# Altium PCB GameBoard_V1I1_Phase1.PcbDoc (part 13 of 18) (continued)
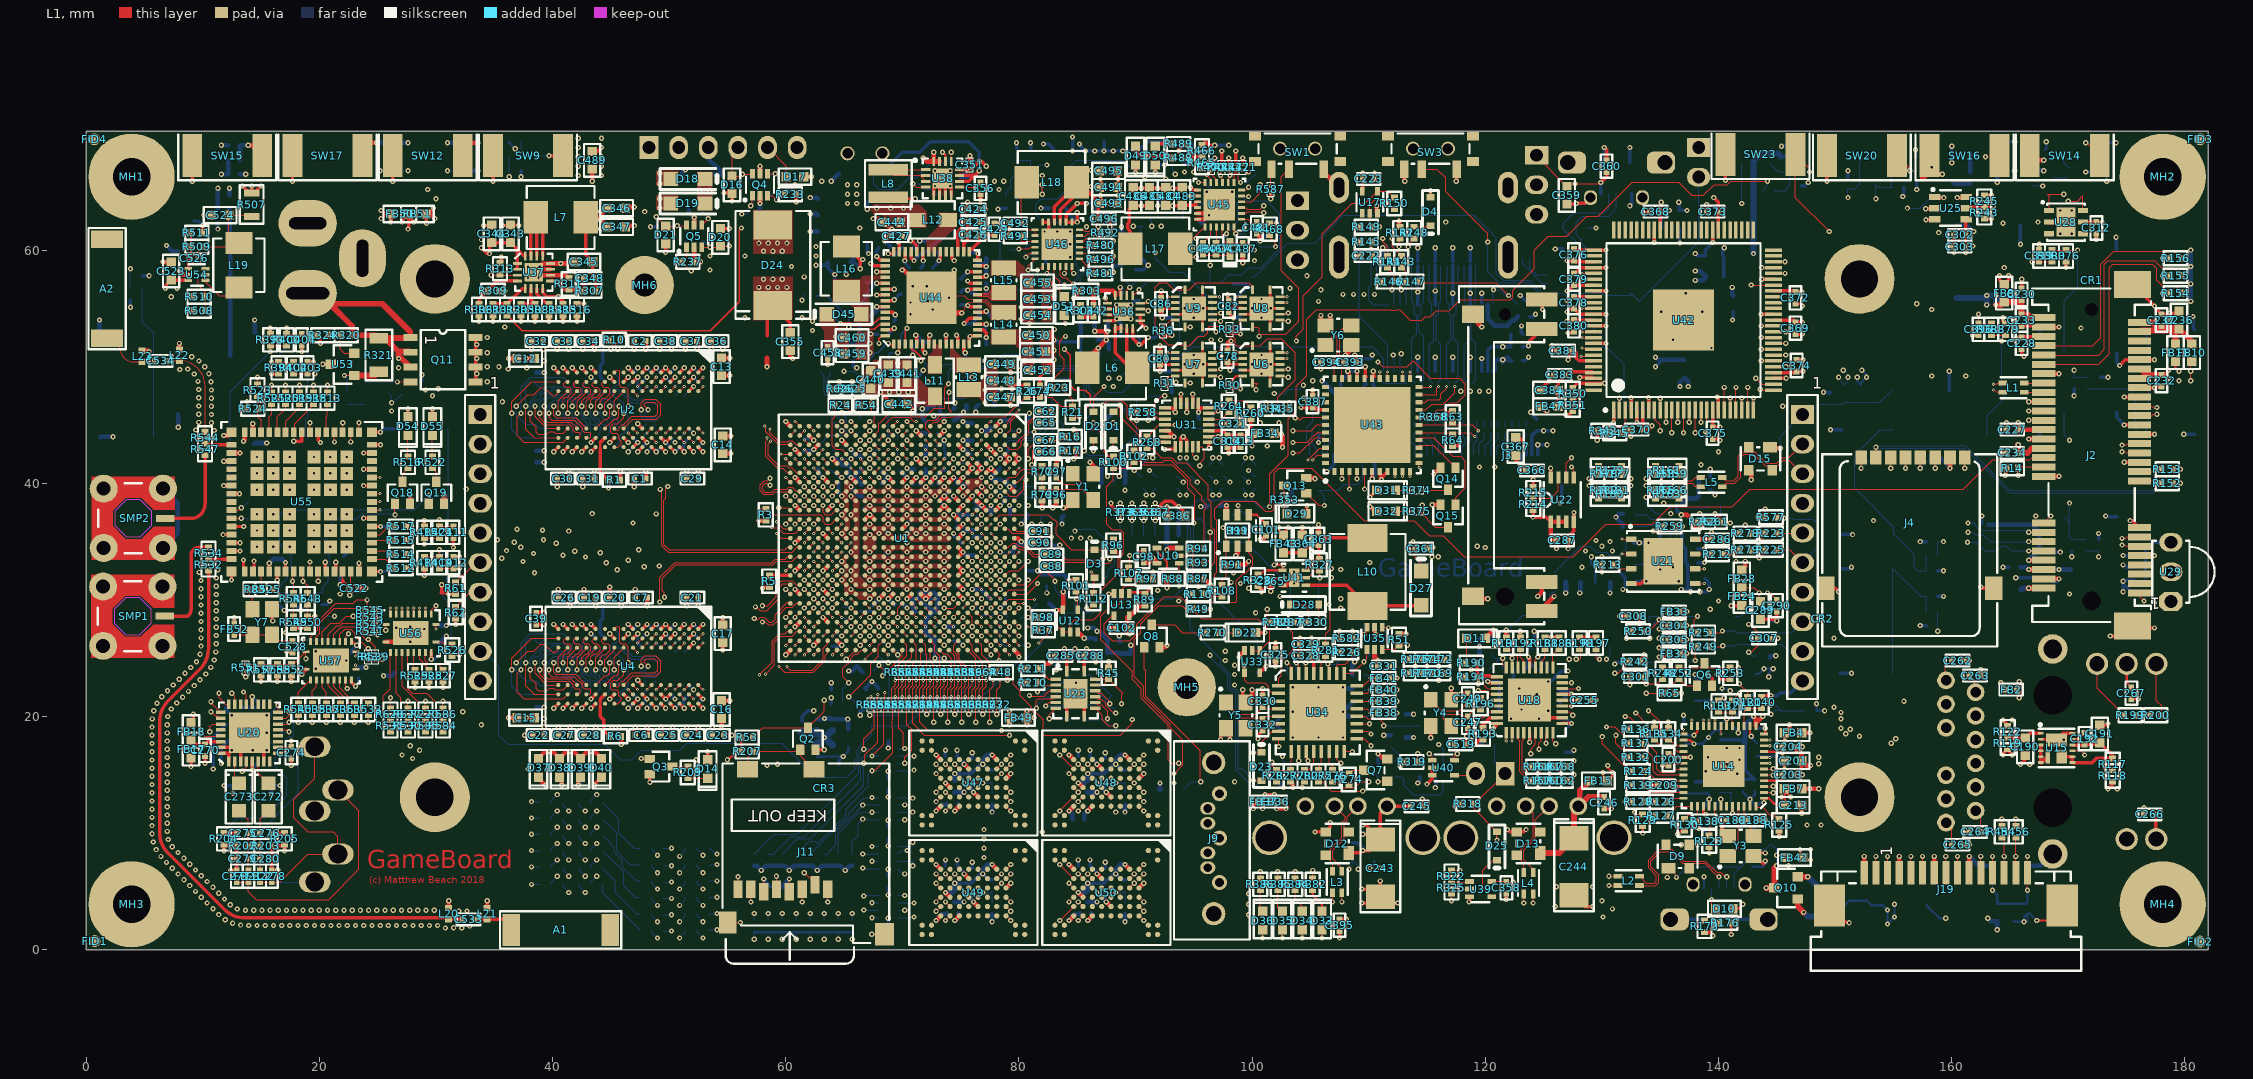
[diagram p0: L1 view]
## Nets (pads, with @x,y where several pads share a name; then routed paths per layer and width w, separated by ;. In a path a pad name is that pad's centre, name@x,y a point inside that pad or via, vN(x,y) a via of type N, cw(c..) or ccw(c..) an arc to the next point about the centre after c; other vN are vias at no path point) (continued)
  L12 w0.093: v1(61.4,54.2) 61.6,54.4 R442.1@61.6,54.8 ; v1(135.9,37.4) U30.6@135.9,38.175 ; v1(142.3,36.4) 142.8,35.9 R59.1@142.8,35.7 R222.1@144,35.7
I2C1_SDA_CON: J12.5 R222.2 R223.2 R576.2 | length 5.8
  L1 w0.093: R223.2@145,35.7 147.16,35.7 J12.5@147.2,35.74
  L12 w0.093: R576.2@145,37.1 R222.2@145,35.7 147.16,35.7 J12.5@147.2,35.74
I2C1_SDA_MCU: R223.1 R278.1 U34.11 | length 86.4
  L1 w0.093: R278.1@142.8,35.7 R223.1@144,35.7 144,35.5 v1(143.5,35)
  L1 w0.1: U34.11@104.65,17 104.65,16.35 v1(104.8,16.2)
  L3 w0.1: v1(104.8,16.2) 105.375,15.625 107.755,15.625 107.83,15.7 112.17,15.7 112.77,15.1 115.6,15.1 120,10.7 128.443,10.7 131.243,13.5 132.7,13.5 133.975,12.225 143.975,12.225 145.5,10.7 v1(147.6,10.7)
  L10 w0.1: v1(143.5,35) 142.83,35 142.455,34.625 142.425,34.625 140.6,32.8 140.6,30.9 139.73,30.9 139.355,31.275 139.045,31.275 138.825,31.055 138.825,29.538 138.725,29.438 138.725,28.962 139.687,28 141.117,28 143.1,26.017 143.1,23.117 144.125,22.092 144.125,21.645 144.345,21.425 144.655,21.425 144.724,21.493 145.5,20.717 145.5,19.68 145.275,19.455 145.275,19.145 145.5,18.92 145.5,18.513 145.125,18.138 145.125,17.398 143.5,15.773 143.5,13.2 143.725,12.975 144.055,12.975 144.275,12.755 144.275,12.425 146,10.7 v1(147.6,10.7)
I2C1_SDA_PMIC: R442.2 TP41.1 U44.53 | length 6.8
  L1 w0.114: v2(64.7,53.7) 64.782,53.782 65.558,53.782 65.84,53.5 67.356,53.5 68.006,54.15 U44.53@68.55,54.15
  L12 w0.114: R442.2@62.6,54.8 62.7,54.7 TP41.1@63.7,54.7 v2(64.7,53.7)
I2C2_CSI_SCL: J19.13 R452.1 R454.2 R459.2 | length 5.1
  L1 w0.1: R454.2@164.3,9.6 164.5,9.4 v1(164.5,8) J19.13@164.5,6.6
  L12 w0.1: R452.1@164.5,6 v1(164.5,8)
I2C2_CSI_SDA: J19.14 R451.1 R456.2 R458.2 | length 5
  L1 w0.1: J19.14@165.5,6.6 v1(165.5,8) R456.2@165.5,9.6
  L12 w0.1: R451.1@165.5,6 v1(165.5,8)
I2C2_SCL: J2.30 J14.7 R62.1 R454.1 U1.U5 U16.17 U20.29 U25.1 U28.6 U45.5 U46.5 | length 541
  L1 w0.093: v3(66.4,42.1) U1.U5@66.8,41.7
  L1 w0.1: v1(9.8,18.7) 10.175,18.325 11.54,18.325 U20.29@11.54,18.35 ; R62.1@31.7,29.4 32.96,30.66 J14.7@33.8,30.66 ; v1(83.9,58) 84.05,58.15 U46.5@84.05,58.6 ; U45.5@99.1,64.65 99.15,64.6 v1(99.7,64.6) ; R454.1@164.3,10.6 v1(164.3,11.2) ; v1(166.6,45.4) J2.30@167.9,45.4 ; v1(170,64.2) 170.8,64.2 171.25,64.65 U28.6@171.25,63.4
  L1 w0.3: U25.1@158.55,64.55 158.6,64.5 v2(159.325,64.5)
  L3 w0.1: J14.7@33.8,30.66 34.95,29.51 34.95,25.186 34.9,25.137 34.9,23.483 34.95,23.434 34.95,22.646 34.394,22.09 34.051,22.09 32.83,20.87 32.83,20.4 32.455,20.025 32.145,20.025 31.67,20.5 26.6,20.5 23.5,23.6 22.8,23.6 21.875,24.525 21.875,24.966 21.9,24.991 21.9,25.7 19,28.6 17.417,28.6 15.7,26.883 15.7,22.4 13,19.7 10.5,19.7 10.175,19.375 10.175,19.345 9.955,19.125 9.925,19.125 9.8,19 v1(9.8,18.7) 9.8,18 10.1,17.7 15.583,17.7 17.025,19.142 17.025,19.655 17.395,20.025 17.625,20.025 18.5,20.9 23.5,20.9 26.4,18 26.4,10.8 28.3,8.9 30.473,8.9 33.26,11.687 33.26,11.877 35.858,14.475 45.942,14.475 46.642,13.775 49.875,13.775 49.9,13.8 61.9,13.8 63.6,12.1 63.6,6.579 65.136,5.043 68.604,5.043 69.371,5.811 70.576,5.811 71.6,6.834 71.6,7.9 73.704,10.004 76.121,10.004 76.792,10.675 77.155,10.675 78.884,8.946 82.478,8.946 82.532,9 90.317,9 94.917,4.4 98.3,4.4 98.8,4.9 98.8,5.617 100.258,7.075 100.855,7.075 100.93,7 101.97,7 102.045,7.075 102.355,7.075 102.43,7 103.283,7 105.483,9.2 110.6,9.2 112.2,7.6 123.4,7.6 123.6,7.4 141.4,7.4 143.5,9.5 144.87,9.5 145.045,9.325 145.355,9.325 145.53,9.5 162.2,9.5 163.9,11.2 v1(164.3,11.2) ; v1(62.3,53.9) 61.9,53.9 61.625,53.625 61.625,52.775 64.1,50.3 64.9,50.3 65.4,49.8 65.4,49.47 65,49.07 65,48.483 65.6,47.883 65.6,47.8 65.851,47.8 66.2,47.451 66.2,45 65.975,44.775 65.975,44.345 65.755,44.125 65.742,44.125 65.375,43.758 65.375,43.462 65.272,43.359 65.272,42.475 65.755,42.475 65.975,42.255 65.975,41.925 v4(66.1,41.8) ; v1(99.7,64.6) 100.625,63.675 ; 100.77,63.5 100.625,63.645 100.625,63.675 ; v1(112.8,51.1) 113.247,51.547 113.247,51.8 113.447,52 120.2,52 120.9,51.3 123.387,51.3 123.462,51.375 125.805,51.375 125.905,51.475 126.138,51.475 126.238,51.375 127.383,51.375 127.515,51.243 127.515,51.182 127.697,51 127.903,51 129.3,52.397 129.3,57.903 128.918,58.285 125.715,58.285 120.7,63.3 113.18,63.3 112.755,62.875 112.305,62.875 111.055,61.625 110.475,61.625 109.4,62.7 102.77,62.7 101.97,63.5 101.23,63.5 101.375,63.645 101.375,63.955 101.155,64.175 100.845,64.175 100.625,63.955 100.625,63.675
  L10 w0.1: v1(62.3,53.9) 62.3,54.3 62.6,54.6 62.6,56.066 61.225,57.441 61.225,57.855 61.445,58.075 63.845,58.075 64.545,58.775 64.775,58.775 66.275,60.275 67.788,60.275 68.375,59.688 68.375,59.595 69.625,58.345 69.625,58.145 69.845,57.925 70.155,57.925 70.375,58.145 71.658,58.145 72.213,58.7 72.737,58.7 72.912,58.525 73.388,58.525 73.563,58.7 74.037,58.7 74.075,58.662 74.075,58.145 74.295,57.925 74.605,57.925 74.825,58.145 74.825,58.662 74.863,58.7 76.77,58.7 77.045,58.975 77.355,58.975 77.63,58.7 83.2,58.7 v1(83.9,58) 84.3,57.6 85.53,57.6 85.555,57.625 86.91,57.625 87.185,57.9 87.77,57.9 87.945,57.725 88.255,57.725 88.43,57.9 91.33,57.9 92.63,56.6 93.287,56.6 93.362,56.525 93.838,56.525 93.913,56.6 98.5,56.6 99.7,55.4 103.3,55.4 103.875,54.825 106.021,54.825 106.096,54.9 108.955,54.9 109.455,54.4 109.703,54.4 110.103,54 114.57,54 114.845,54.275 115.825,54.275 118.325,51.775 118.325,51.645 118.545,51.425 118.992,51.425 119.117,51.55 119.283,51.55 119.4,51.433 119.4,51.267 119.3,51.167 119.3,49.2 119.125,49.025 118.437,49.025 118.362,49.1 117.43,49.1 117.355,49.025 115.545,49.025 115.375,48.855 115.375,48.745 115.155,48.525 113.897,48.525 113.354,49.069 113.354,49.716 112.82,50.25 112.8,50.25 v1(112.8,51.1) ; v1(99.7,64.6) 100.7,64.6 103.3,67.2 110.817,67.2 115.017,63 122.514,63 123.724,64.21 124.99,64.21 126.483,62.717 133.17,62.717 133.262,62.625 133.738,62.625 133.83,62.717 138.2,62.717 138.2,63.7 139.5,65 142.67,65 142.945,64.725 143.255,64.725 143.909,65.378 143.962,65.325 144.438,65.325 144.913,65.8 147.208,65.8 147.325,65.917 147.325,65.955 147.545,66.175 147.855,66.175 148.075,65.955 148.075,65.917 148.192,65.8 148.87,65.8 149.145,65.525 149.455,65.525 149.73,65.8 158.025,65.8 v2(159.325,64.5) 159.4,64.5 160.7,63.2 164.5,63.2 165.5,64.2 v1(170,64.2) 170.03,64.2 171.6,62.63 171.6,58.7 166.4,53.5 166.4,52.3 165.1,51 165.1,46.9 v1(166.6,45.4) 167.1,44.9 167.1,43.5 164.931,41.331 164.904,41.331 164.769,41.196 164.769,41.169 164.675,41.075 164.445,41.075 163.7,40.33 163.7,11.8 v1(164.3,11.2)
  L2 w0.1: v4(66.1,41.8) v3(66.4,42.1)
  L12 w0.1: U16.17@112.7,49.6 112.7,51 v1(112.8,51.1)
I2C2_SDA: J2.32 J14.6 R61.1 R456.1 U1.T7 U16.18 U20.27 U25.6 U28.1 U45.6 U46.6 | length 548.8
  L1 w0.093: v3(67.2,40.5) U1.T7@67.6,40.1
  L1 w0.1: v1(10.6,18.7) 10.6,19.1 10.85,19.35 U20.27@11.54,19.35 ; R61.1@31.7,31.5 33.4,33.2 J14.6@33.8,33.2 ; U46.6@84.55,58.6 84.55,58.15 v1(84.7,58) ; U45.6@99.1,65.15 99.45,65.15 v1(99.7,65.4) ; R456.1@165.5,10.6 v1(165.5,11.2) ; v1(166.6,46.2) J2.32@167.9,46.2 ; U28.1@168.35,63.4 168.35,64.65 168.2,64.8 v1(169.6,64.8)
  L1 w0.3: v2(160.475,64.5) 161.2,64.5 U25.6@161.25,64.55
  L3 w0.1: J14.6@33.8,33.2 35.15,31.85 35.15,25.104 35.1,25.054 35.1,23.566 35.15,23.516 35.15,22.437 32.513,19.8 31.7,19.8 31.3,20.2 26.3,20.2 23.1,23.4 22.3,23.4 21.4,24.3 21.4,25.741 19.141,28 17.1,28 15.9,26.8 15.9,22.3 12.9,19.3 10.8,19.3 10.6,19.1 v1(10.6,18.7) 10.6,18.3 10.9,18 15.6,18 16.8,19.2 16.8,20.6 17.3,21.1 23.583,21.1 26.6,18.083 26.6,11.4 28.6,9.4 30.69,9.4 33.06,11.77 33.06,11.96 35.8,14.7 46,14.7 46.725,13.975 49.175,13.975 49.4,14.2 61.87,14.2 64.1,11.97 64.1,10.832 64.004,10.736 64.004,6.458 65.219,5.243 65.381,5.243 65.496,5.358 65.496,5.521 65.59,5.614 68.892,5.614 69.288,6.011 70.493,6.011 71.375,6.892 71.375,8.097 73.481,10.204 76.038,10.204 76.709,10.875 77.238,10.875 78.967,9.146 82.395,9.146 82.449,9.2 90.4,9.2 95,4.6 98.2,4.6 98.6,5 98.6,5.7 100.175,7.275 100.938,7.275 101.013,7.2 101.887,7.2 101.962,7.275 102.438,7.275 102.513,7.2 103.2,7.2 105.4,9.4 111.4,9.4 112.85,7.95 119.35,7.95 119.5,7.8 123.483,7.8 123.683,7.6 136.9,7.6 137.925,8.625 138.355,8.625 138.575,8.845 138.575,9.275 139.375,10.075 145.355,10.075 145.73,9.7 162.117,9.7 163.992,11.575 165.125,11.575 v1(165.5,11.2) ; v1(62.3,53.1) 62.2,53.2 62.1,53.1 62.1,52.7 64,50.8 65,50.8 65.725,50.075 65.725,49.255 65.325,48.855 65.325,48.545 65.77,48.1 65.9,48.1 65.9,48.034 66.4,47.534 66.4,44.9 66.2,44.7 66.2,44.3 66.175,44.275 66.175,44.262 65.838,43.925 65.825,43.925 66,43.75 66,42.513 66.4,42.113 66.4,41.3 v4(67.5,40.2) ; v1(99.7,65.4) 99.8,65.4 100.825,64.375 101.225,64.375 101.225,64.555 101.445,64.775 101.755,64.775 101.975,64.555 101.975,64.245 101.755,64.025 101.575,64.025 101.575,63.7 102.053,63.7 102.753,63 109.383,63 109.808,63.425 110.855,63.425 110.93,63.5 120.783,63.5 122.383,61.9 122.783,61.9 125.983,58.7 128.3,58.7 128.515,58.485 129.001,58.485 129.5,57.986 129.5,54.3 129.9,53.9 129.9,52.4 128.2,50.7 127.714,50.7 127.315,51.099 127.315,51.16 127.3,51.175 126.155,51.175 126.055,51.275 125.988,51.275 125.888,51.175 123.545,51.175 123.47,51.1 120.817,51.1 120.117,51.8 113.53,51.8 113.447,51.717 113.447,51.047 113.125,50.725 112.375,50.725 v1(112.1,51)
  L10 w0.1: v1(62.3,53.1) 61.925,53.475 61.925,54.055 62.1,54.23 62.1,56.283 61,57.383 61,57.913 61.362,58.275 63.275,58.275 63.975,58.975 64.692,58.975 66.192,60.475 67.953,60.475 68.346,60.082 68.949,60.082 69.175,59.855 69.175,59.595 70.045,58.725 70.355,58.725 70.53,58.9 70.67,58.9 70.845,58.725 71.155,58.725 71.33,58.9 71.47,58.9 71.645,58.725 71.955,58.725 72.13,58.9 72.82,58.9 72.995,58.725 73.305,58.725 73.48,58.9 74.12,58.9 74.295,58.725 74.605,58.725 74.78,58.9 76.687,58.9 76.962,59.175 77.438,59.175 77.713,58.9 83.283,58.9 83.783,58.4 84.3,58.4 v1(84.7,58) 84.9,57.8 85.447,57.8 85.625,57.978 85.625,58.155 85.845,58.375 86.155,58.375 86.43,58.1 87.57,58.1 87.945,58.475 88.255,58.475 88.63,58.1 91.413,58.1 91.813,57.7 92.3,57.7 93.2,56.8 93.37,56.8 93.445,56.725 93.755,56.725 93.83,56.8 94.13,56.8 94.413,57.083 100.117,57.083 101.4,55.8 103.2,55.8 103.975,55.025 105.938,55.025 106.013,55.1 109.038,55.1 109.113,55.025 109.361,55.025 110.186,54.2 114.487,54.2 114.762,54.475 116.894,54.475 119.7,51.669 119.7,49.3 119.2,48.8 118.379,48.8 118.304,48.875 117.488,48.875 117.438,48.825 115.675,48.825 115.575,48.725 115.575,48.662 115.238,48.325 113.814,48.325 113.154,48.986 113.154,49.633 112.737,50.05 112.717,50.05 112.025,50.742 ; v1(99.7,65.4) 99.875,65.225 101.042,65.225 103.217,67.4 110.9,67.4 115.1,63.2 122.431,63.2 123.641,64.41 125.073,64.41 126.566,62.917 133.253,62.917 133.345,62.825 133.655,62.825 133.747,62.917 138,62.917 138,63.783 139.417,65.2 142.6,65.2 143.1,65.7 143.87,65.7 144.045,65.525 144.355,65.525 144.83,66 147.087,66 147.462,66.375 147.462,66.508 147.425,66.545 147.425,66.855 147.645,67.075 147.955,67.075 148.175,66.855 148.175,66.138 148.313,66 148.87,66 149.145,66.275 149.455,66.275 149.73,66 158.975,66 v2(160.475,64.5) 160.5,64.5 160.7,64.3 165.3,64.3 165.8,64.8 v1(169.6,64.8) 170.5,64.8 172,63.3 172,58.4 166.6,53 166.6,52.217 165.7,51.317 165.7,46.8 166.3,46.2 v1(166.6,46.2) 167.6,45.2 167.6,43.7 165,41.1 165,21.6 164.8,21.4 164.8,14.4 165,14.2 165,11.7 v1(165.5,11.2)
  L2 w0.1: v3(67.2,40.5) v4(67.5,40.2)
  L12 w0.1: v1(112.1,51) 112.1,50.7 112.2,50.6 U16.18@112.2,49.6
I2C3_SCL: R64.1 R577.1 U1.R4 U43.16 | length 173
  L1 w0.093: U1.R4@68.4,42.5 v3(68.8,42.9)
  L1 w0.1: U43.16@114.3,44.35 118.75,44.35 v3(119.1,44) ; R577.1@144,37.1 v1(144,37.8)
  L3 w0.1: v2(62.6,60.3) 62.6,60.03 63,59.63 63,59.383 63.5,58.883 63.5,58.579 63.225,58.304 63.225,57.496 63.5,57.221 63.5,56.383 66.093,53.789 66.025,53.721 66.025,52.275 66.2,52.1 66.2,51.6 66.982,50.818 68.182,50.818 68.5,50.5 68.5,48.9 69.3,48.1 69.3,47.5 68.7,46.9 68.7,46.283 68.6,46.183 68.6,44.5 69.175,43.925 69.175,43.275 v4(69.1,43.2) ; v4@69,43.2 v4@69.05,43.25 ; v4(119.4,43.7) 119.917,43.7 120.367,43.25 121.934,43.25 122.659,42.525 125.625,42.525 126.075,42.975 127.721,42.975 128.096,42.6 130.1,42.6 131.1,41.6 v1(138.5,41.6)
  L10 w0.1: v2(62.6,60.3) 62.9,60.6 64.4,60.6 65.225,61.425 80.975,61.425 83.1,59.3 83.449,59.3 83.724,59.025 85.075,59.025 85.475,58.625 85.529,58.625 85.704,58.8 87.704,58.8 87.779,58.875 88.405,58.875 88.63,59.1 93.959,59.1 95.234,57.825 98.791,57.825 98.941,57.976 99.317,57.6 103.483,57.6 103.783,57.3 108.4,57.3 109.6,58.5 112.017,58.5 112.217,58.3 118.566,58.3 119.666,57.2 121.3,57.2 121.9,56.6 124.2,56.6 125.8,58.2 129.2,58.2 129.9,57.5 135.717,57.5 137.017,58.8 142.8,58.8 145.1,61.1 145.7,61.1 146.825,59.975 146.825,49.092 146.917,49 144.932,47.015 144.932,46.365 145.1,46.197 145.1,44.3 144,43.2 v1(144,37.8) 144,36.6 143.8,36.4 142.83,36.4 142.455,36.775 142.455,37.245 138.625,41.075 138.625,41.475 v1(138.5,41.6)
  L2 w0.1: v3(68.8,42.9) v4(69.1,43.2) ; v3(119.1,44) v4(119.4,43.7)
I2C3_SDA: R63.1 R576.1 U1.R2 U43.17 | length 169.6
  L1 w0.093: v3(68,43.7) U1.R2@68.4,44.1
  L1 w0.1: U43.17@114.3,45 118.9,45 v3(119.4,44.5)
  L3 w0.1: v2(62.6,59.5) 63.3,58.8 63.3,58.662 63.025,58.387 63.025,57.413 63.3,57.138 63.3,56.3 65.825,53.775 65.825,51.424 66.374,50.875 66.504,50.875 67.075,50.304 67.075,49.825 68.5,48.4 68.5,46.5 68.3,46.3 v4(68.3,44) ; v4(119.7,44.2) 120.45,43.45 122.017,43.45 122.742,42.725 125.538,42.725 125.875,43.062 125.875,43.092 125.958,43.175 127.804,43.175 128.179,42.8 130.6,42.8 130.7,42.7 v1(140,42.7)
  L10 w0.1: v2(62.6,59.5) 63.7,59.5 65.425,61.225 80.875,61.225 83,59.1 83.366,59.1 83.766,58.7 85.117,58.7 85.442,58.375 85.562,58.375 85.787,58.6 87.787,58.6 87.862,58.675 88.338,58.675 88.413,58.6 90.313,58.6 90.613,58.3 91.496,58.3 91.896,57.9 94.876,57.9 95.151,57.625 98.874,57.625 98.941,57.693 99.234,57.4 103.4,57.4 103.7,57.1 108.483,57.1 108.883,57.5 111.434,57.5 112.034,58.1 116.8,58.1 118.325,56.575 118.325,56.145 118.545,55.925 118.975,55.925 119.4,55.5 124.7,55.5 126.5,57.3 130.3,57.3 130.9,56.7 135.2,56.7 137.1,58.6 142.883,58.6 144.883,60.6 145.7,60.6 146.6,59.7 146.6,48.966 144.732,47.098 144.732,46.282 144.8,46.214 144.8,44.7 143.4,43.3 v1(143.4,37.1) 143.1,37.1 140,40.2 v1(140,42.7)
  L2 w0.1: v3(68,43.7) v4(68.3,44) ; v3(119.4,44.5) v4(119.7,44.2)
  L12 w0.1: v1(143.4,37.1) R576.1@144,37.1
ILIM1: R470.2 U45.10 | length 1.2
  L1 w0.1: R470.2@96.5,66.835 96.5,66.5 96.95,66.05 U45.10@96.95,65.8
ILIM2: R492.2 U46.10 | length 2.2
  L1 w0.1: U46.10@85.2,60.75 85.55,60.75 85.8,61 86.635,61 R492.2@87.135,61.5
IR_RCV: U1.A20 U29.1 | length 116.8
  L1 w0.1: U1.A20@79.6,29.7 v3(80.4,29.7)
  L3 w0.1: v4(80.7,30) 81.225,29.475 81.225,29.445 82.07,28.6 85.251,28.6 85.351,28.7 87.568,28.7 87.668,28.6 89.834,28.6 89.934,28.7 91.589,28.7 91.889,29 93.613,29 94.338,29.725 94.621,29.725 94.666,29.77 95.147,29.77 95.478,30.1 97.129,30.1 97.463,29.767 97.476,29.753 98.047,29.753 98.547,29.253 99.347,29.253 100.175,28.425 106.776,28.425 106.951,28.6 108.085,28.6 108.785,29.3 116.793,29.3 117.393,28.7 119.603,28.7 119.803,28.9 125.517,28.9 125.717,28.7 130.1,28.7 130.9,29.5 138.1,29.5 139.2,28.4 143.6,28.4 144.935,27.065 144.945,27.075 145.255,27.075 145.63,26.7 v1(149.9,26.7) ; v1(153.3,36.8) 155.555,36.8 156.98,35.375 157.455,35.375 157.675,35.155 157.675,34.68 160.3,32.055 165.125,32.055 165.345,32.275 165.655,32.275 165.875,32.055 165.875,32.025 166.5,31.4 168.1,31.4 171.8,27.7 176.64,27.7 U29.1@178.8,29.86
  L10 w0.1: v1(149.9,26.7) 149.9,27.2 153.3,30.6 v1(153.3,36.8)
  L2 w0.1: v3(80.4,29.7) v4(80.7,30)
JTAG_MOD: R103.2 U1.H6 | length 2.2
  L1 w0.093: U1.H6@74,40.9 v2(74.4,41.3)
  L12 w0.093: v2(74.4,41.3) 74.8,41.7 75.565,41.7 R103.2@75.8,41.935
JTAG_nTRST: R104.1 TP4.1 U1.C2 | length 7.5
  L1 w0.093: U1.C2@78,44.1 v1(78.4,44.5)
  L12 w0.093: v1(78.4,44.5) 79,43.9 81.325,43.9 81.825,44.4 81.825,45.875 81.8,45.9 TP4.1@81.8,46.6 81.7,46.7 R104.1@81,46.7
JTAG_TCK: R111.2 TP7.1 | length 0.8
  L12 w0.1: R111.2@83.4,46.4 TP7.1@83.4,47.2
JTAG_TCK_R: R111.1 U1.H5 | length 13.2
  L1 w0.093: U1.H5@74,41.7 v2(74.4,42.1)
  L10 w0.093: v2(74.4,42.1) 74.772,41.729 78.729,41.729 78.829,41.829 78.829,42.329 79.207,42.707 82.98,42.707 v5@83.073,42.8
  L11 w0.1: v5(83.1,42.8) v6(83.4,43.1)
  L12 w0.1: v6(83.4,43.1) 83.8,43.5 83.8,45 R111.1@83.4,45.4
JTAG_TDI: R109.2 TP5.1 | length 1.2
  L12 w0.1: R109.2@83.2,49 TP5.1@84.4,49
JTAG_TDI_R: R105.1 R109.1 U1.G5 | length 15.6
  L1 w0.093: U1.G5@74.8,41.7 v2(75.2,42.1)
  L10 w0.093: v2(75.2,42.1) 75.6,42.5 78.727,42.5 79.127,42.9 81.9,42.9 v5(82.2,43.2)
  L11 w0.1: v5(82.2,43.2) v6(82.5,43.5)
  L12 w0.1: R105.1@81,49 R109.1@82.2,49 82.9,48.3 82.9,43.9 v6(82.5,43.5)
JTAG_TDO: R67.2 TP8.1 | length 0.8
  L12 w0.1: R67.2@84.6,46.4 TP8.1@84.6,47.2
JTAG_TDO_R: R67.1 U1.G6 | length 13.7
  L1 w0.093: U1.G6@74.8,40.9 v2(75.2,41.3)
  L10 w0.093: v2(75.2,41.3) 75.6,40.9 77.8,40.9 78.4,41.5 79.4,41.5 79.629,41.729 79.629,42.254 79.846,42.472 82.028,42.472 v5(82.3,42.2)
  L11 w0.1: v5(82.3,42.2) v6(82.6,42.5)
  L12 w0.1: v6(82.6,42.5) 83.6,42.5 84.7,43.6 84.7,45.3 R67.1@84.6,45.4
JTAG_TMS: R106.1 TP6.1 U1.C3 | length 9.6
  L1 w0.093: U1.C3@78,43.3 v1(78.4,42.9)
  L12 w0.093: v1(78.4,42.9) 79.171,43.672 81.472,43.672 82.4,44.6 82.4,47.3 TP6.1@81.8,47.9 R106.1@81,47.9
LCD_B0: LCD1.21 R331.2 | length 2.1
  L12 w0.093: R331.2@113.9,44.335 113.9,43.9 114.5,43.3 LCD1.21@114.5,42.45
LCD_B1: LCD1.22 R332.2 | length 2.2
  L12 w0.093: R332.2@113.3,44.335 113.3,43.9 114,43.2 LCD1.22@114,42.45
LCD_B2: LCD1.23 R333.2 | length 2.2
  L12 w0.093: R333.2@112.7,44.335 112.7,44 113.5,43.2 LCD1.23@113.5,42.45
LCD_B3: LCD1.24 R334.2 | length 2.3
  L12 w0.093: R334.2@112.1,44.335 112.1,44.1 113,43.2 LCD1.24@113,42.45
LCD_B4: LCD1.25 R335.2 | length 2.3
  L12 w0.093: R335.2@111.5,44.335 111.5,44.1 112.5,43.1 LCD1.25@112.5,42.45
LCD_B5: LCD1.26 R336.2 | length 2.3
  L12 w0.093: R336.2@110.9,44.335 110.9,44.1 112,43 LCD1.26@112,42.45
LCD_B6: LCD1.27 R337.2 | length 2.4
  L12 w0.093: R337.2@110.3,44.335 110.3,44.2 111.5,43 LCD1.27@111.5,42.45
LCD_B7: LCD1.28 R338.2 | length 2.4
  L12 w0.093: R338.2@109.7,44.335 111,43.035 LCD1.28@111,42.45
LCD_CTP_INT#: CTP1.5 R365.1 R371.2 | length 2.2
  L1 w0.1: v1(89.7,36.8) R365.1@89.7,37.235
  L12 w0.1: CTP1.5@89.7,35.55 R371.2@89.7,37.335
LCD_CTP_RST#: CTP1.6 R372.2 R373.2 | length 2.2
  L1 w0.1: v1(88.7,36.8) R373.2@88.7,37.235
  L12 w0.1: CTP1.6@88.7,35.55 88.7,36.97 R372.2@88.7,37.235 R372.2@88.7,37.335
LCD_CTP_SCL: CTP1.3 R367.1 R369.2 | length 2.2
  L1 w0.1: v1(91.7,36.8) R367.1@91.7,37.235
  L12 w0.1: CTP1.3@91.7,35.55 91.7,36.97 R369.2@91.7,37.335
LCD_CTP_SDA: CTP1.4 R366.1 R370.2 | length 2.2
  L1 w0.1: v1@90.7,36.765 R366.1@90.7,37.2
  L12 w0.1: CTP1.4@90.7,35.55 90.7,36.97 R370.2@90.7,37.335
  other v1: 90.7,36.8
LCD_DE: LCD1.34 R361.2 | length 2.1
  L12 w0.093: R361.2@107.3,44.07 107.3,43.5 107.5,43.3 107.9,43.3 108,43.2 LCD1.34@108,42.45
LCD_G0: LCD1.13 R339.2 | length 2
  L12 w0.093: LCD1.13@118.5,42.45 118.5,43.4 118.7,43.6 R339.2@118.7,44.335
LCD_G1: LCD1.14 R340.2 | length 2.1
  L12 w0.093: LCD1.14@118,42.45 118,43.075 118.3,43.375 118.3,43.8 118.1,44 R340.2@118.1,44.335
LCD_G2: LCD1.15 R341.2 | length 2.1
  L12 w0.093: LCD1.15@117.5,42.45 117.5,43.1 117.3,43.3 117.3,43.8 117.5,44 R341.2@117.5,44.335
LCD_G3: LCD1.16 R343.2 | length 1.9
  L12 w0.093: R343.2@116.9,44.335 116.9,43.8 117,43.7 LCD1.16@117,42.45
LCD_G4: LCD1.17 R344.2 | length 2
  L12 w0.093: R344.2@116.3,44.335 116.3,43.7 116.5,43.5 LCD1.17@116.5,42.45
LCD_G5: LCD1.18 R346.2 | length 2
  L12 w0.093: R346.2@115.7,44.335 115.7,43.7 116,43.4 LCD1.18@116,42.45
LCD_G6: LCD1.19 R347.2 | length 2.1
  L12 w0.093: R347.2@115.1,44.335 115.1,43.8 115.5,43.4 LCD1.19@115.5,42.45
LCD_G7: LCD1.20 R349.2 | length 2.1
  L12 w0.093: R349.2@114.5,44.335 114.5,43.8 115,43.3 LCD1.20@115,42.45
LCD_HDMI_CLK_N: U7.12 U42.94 | length 35.4
  L1 w0.1: U7.12@96.6,50.7 97.025,50.7 97.225,50.9 v3(97.4,50.9) ; v3(128.2,50.9) 128.975,50.9 129.075,51 129.175,50.9 U42.94@129.275,51
  L3 w0.1: v4(97.7,51.2) 98.1,51.6 98.1,51.625 98.438,51.625 98.513,51.7 101.5,51.7 103,50.2 103.9,50.2 105.159,51.459 110.683,51.459 111.399,52.175 113.34,52.175 113.365,52.2 120.57,52.2 120.845,52.475 121.821,52.475 122.096,52.2 123.085,52.2 123.11,52.175 125.855,52.175 126.43,51.6 127.5,51.6 v4(127.8,51.3)
  L2 w0.1: v3(97.4,50.9) v4(97.7,51.2) ; v4(127.8,51.3) v3(128.2,50.9)
LCD_HDMI_CLK_P: U7.13 U42.93 | length 35.1
  L1 w0.1: U7.13@96.6,51.2 96.65,51.25 97.05,51.25 v3(97.4,51.6) ; v3(128.3,51.6) 129.175,51.6 U42.93@129.275,51.5
  L3 w0.1: v4@97.8,51.9 97.97,51.9 98.045,51.825 98.355,51.825 98.43,51.9 101.583,51.9 103.083,50.4 103.817,50.4 105.076,51.659 110.6,51.659 111.316,52.375 113.257,52.375 113.282,52.4 120.487,52.4 120.762,52.675 121.904,52.675 122.179,52.4 123.168,52.4 123.193,52.375 125.938,52.375 126.513,51.8 127.7,51.8 v4(127.9,52)
  L2 w0.1: v3(97.4,51.6) v4(97.7,51.9) ; v4(127.9,52) v3(128.3,51.6)
LCD_HDMI_D0_N: U6.12 U42.91 | length 30.6
  L1 w0.1: U6.12@102.4,50.7 v3(103,50.7) ; v3(128.3,52.5) U42.91@129.275,52.5
  L3 w0.1: v4(103.5,50.7) 104.9,52.1 110.083,52.1 110.483,52.5 110.883,52.9 113.724,52.9 114.456,53.631 115.631,53.631 116.2,54.2 120.2,54.2 120.775,53.625 122.695,53.625 122.945,53.875 123.255,53.875 123.83,53.3 125.7,53.3 126.8,52.2 127.697,52.2 127.782,52.285 128.018,52.285 128.103,52.2 128.283,52.2 128.583,52.5 v4(128.8,52.5)
  L2 w0.1: v3(103,50.7) v4(103.5,50.7) ; v3(128.3,52.5) v4(128.8,52.5)
LCD_HDMI_D0_P: U6.13 U42.90 | length 30.6
  L1 w0.1: U6.13@102.4,51.2 v3(103,51.2) ; v3(128.3,53) U42.90@129.275,53
  L3 w0.1: v4(103.5,51.2) 103.717,51.2 104.817,52.3 110,52.3 110.8,53.1 113.641,53.1 114.373,53.831 115.548,53.831 116.117,54.4 120.283,54.4 120.858,53.825 122.612,53.825 122.862,54.075 123.338,54.075 123.913,53.5 125.783,53.5 126.717,52.566 126.883,52.4 127.614,52.4 127.699,52.485 128.101,52.485 128.186,52.4 128.2,52.4 v4(128.8,53)
  L2 w0.1: v3(103,51.2) v4(103.5,51.2) ; v3(128.3,53) v4(128.8,53)
LCD_HDMI_D1_N: U9.12 U42.86 | length 38.3
  L1 w0.1: U9.12@96.6,55.5 v3(97.2,55.5) ; v3(128.3,55) U42.86@129.275,55
  L3 w0.1: v4(96.7,55.5) 96.7,55.597 96.985,55.882 96.985,56.202 97.441,56.659 101.641,56.659 103.6,54.7 105.225,53.075 109.958,53.075 110.283,53.4 110.583,53.7 112.483,53.7 113.9,55.117 113.9,55.2 121.483,55.2 121.783,55.5 123.683,55.5 123.841,55.659 125.924,55.659 126.483,55.1 128.7,55.1 v4(128.8,55)
  L2 w0.1: v4(96.7,55.5) v3(97.2,55.5) ; v3(128.3,55) v4(128.8,55)
LCD_HDMI_D1_P: U9.13 U42.85 | length 38.1
  L1 w0.1: U9.13@96.6,56 v3(97.2,56) ; v3(128.3,55.5) U42.85@129.275,55.5
  L3 w0.1: v4(96.7,56) 96.7,56.2 97.359,56.859 101.724,56.859 105.308,53.275 109.875,53.275 110.5,53.9 112.4,53.9 113.7,55.2 113.7,55.283 113.817,55.4 121.4,55.4 121.7,55.7 123.6,55.7 123.759,55.859 126.007,55.859 126.483,55.383 ; 126.4,55.3 128.6,55.3 v4(128.8,55.5)
  L2 w0.1: v4(96.7,56) v3(97.2,56) ; v3(128.3,55.5) v4(128.8,55.5)
LCD_HDMI_D2_N: U8.12 U42.81 | length 32.7
  L1 w0.1: U8.12@102.4,55.5 v3(103,55.5) ; v3(128.3,57.5) U42.81@129.275,57.5
  L3 w0.1: v4(103.5,55.5) 103.717,55.5 105.517,53.7 109.283,53.7 109.683,54.1 109.983,54.4 110.783,54.4 111.725,55.342 111.725,55.355 112,55.63 112,57 113.6,58.6 119.2,58.6 119.5,58.3 119.9,58.3 121.5,56.7 123.083,56.7 123.924,57.541 126.367,57.541 126.425,57.6 128.7,57.6 v4(128.8,57.5)
  L2 w0.1: v3(103,55.5) v4(103.5,55.5) ; v3(128.3,57.5) v4(128.8,57.5)
LCD_HDMI_D2_P: U8.13 U42.80 | length 32.8
  L1 w0.1: U8.13@102.4,56 v3(103,56) ; v3(128.3,58) U42.80@129.275,58
  L3 w0.1: v4(103.5,56) 105.6,53.9 109.2,53.9 109.9,54.6 110.7,54.6 111.525,55.425 111.525,55.438 111.8,55.713 111.8,57.083 113.517,58.8 119.283,58.8 119.583,58.5 119.983,58.5 121.583,56.9 123,56.9 123.841,57.741 126.284,57.741 126.343,57.8 126.7,57.8 128.6,57.8 v4(128.8,58)
  L2 w0.1: v3(103,56) v4(103.5,56) ; v3(128.3,58) v4(128.8,58)
LCD_HSYNC: LCD1.32 R363.2 | length 1.8
  L12 w0.093: R363.2@108.5,44.07 108.5,43.6 109,43.1 LCD1.32@109,42.45
LCD_PCLK: LCD1.30 R362.2 | length 2.2
  L12 w0.093: R362.2@109.1,44.07 109.1,43.7 109.5,43.3 109.9,43.3 110,43.2 LCD1.30@110,42.45
LCD_R0: LCD1.5 R352.2 | length 2.3
  L12 w0.093: LCD1.5@122.5,42.45 122.5,43.1 123.5,44.1 R352.2@123.5,44.335
LCD_R1: LCD1.6 R354.2 | length 2.3
  L12 w0.093: LCD1.6@122,42.45 122,43.1 122.9,44 R354.2@122.9,44.335
LCD_R2: LCD1.7 R355.2 | length 2.2
  L12 w0.093: LCD1.7@121.5,42.45 121.5,43.1 122.3,43.9 R355.2@122.3,44.335
LCD_R3: LCD1.8 R356.2 | length 2.2
  L12 w0.093: LCD1.8@121,42.45 121,43.1 121.7,43.8 R356.2@121.7,44.335
LCD_R4: LCD1.9 R357.2 | length 2.1
  L12 w0.093: LCD1.9@120.5,42.45 120.5,43.2 121.1,43.8 R357.2@121.1,44.335
LCD_R5: LCD1.10 R358.2 | length 2.1
  L12 w0.093: LCD1.10@120,42.45 120,43.2 120.5,43.7 R358.2@120.5,44.335
LCD_R6: LCD1.11 R359.2 | length 2.1
  L12 w0.093: LCD1.11@119.5,42.45 119.5,43.4 119.9,43.8 R359.2@119.9,44.335
LCD_R7: LCD1.12 R360.2 | length 2
  L12 w0.093: LCD1.12@119,42.45 119,43.4 119.3,43.7 R360.2@119.3,44.335
LCD_SHUTOFF#: R348.1 R589.1 SW3.2 | length 32.9
  L1 w0.1: SW3.2@114.55,66.95 115.85,66.95 116.6,66.2 116.6,65 120.2,61.4 v1(120.2,60.7)
  L12 w0.1: v1(120.2,60.7) 120.2,58.2 121.2,57.2 123.717,57.2 124.817,56.1 125.5,56.1 126.3,55.3 127.3,55.3 129.975,52.625 129.975,51.845 130.195,51.625 130.475,51.625 131.9,50.2 131.9,47 R589.1@132.5,46.4 R348.1@134,46.4
LCD_VSYNC: LCD1.33 R364.2 | length 1.9
  L12 w0.093: R364.2@107.9,44.07 107.9,43.8 108.5,43.2 LCD1.33@108.5,42.45
LCD_XTALIN: C393.2 U43.32 Y6.3 | length 5.3
  L1 w0.093: U43.32@107.7,49 107.7,50.7 107.5,50.9 107.5,53 108.05,53.55 Y6.3@108.5,53.55
LCD_XTALOUT: C394.2 U43.33 Y6.1 | length 5.1
  L1 w0.093: Y6.1@106.3,51.85 106.3,52 107,52.7 107.1,52.7 107.3,52.5 107.3,50.9 107.05,50.65 U43.33@107.05,49
LED1: R121.1 R133.1 U14.17 | length 2.3
  L1 w0.1: R133.1@140,20.3 141.2,20.3 U14.17@141.2,19.18
LED2: R120.1 R140.2 U14.15 | length 2.8
  L1 w0.1: U14.15@142.2,19.18 142.2,20.4 R120.1@142.5,20.7 R140.2@143.7,20.7
LED_A: C361.1 C362.1 D27.1 LCD1.2 | length 23.8
  L1 w0.1: v1(113.4,34.3) 113.5,34.4 C361.1@114,34.4 ; v1(113.8,35) 114,34.8 C361.1@114,34.4 ; D27.1@114.5,32.475 114.5,33.1 114,33.6 C361.1@114,34.4
  L7 (PWR) w0.1: v1(113.8,35) 113.975,35 119.55,40.575 123.2,40.575 125.8,43.175 v1(125.8,44.5)
  L12 w0.3: LCD1.2@124,42.45 124,44.1 C362.1@124.4,44.5 v1(125,44.5) v1(125.8,44.5)
LED_K: LCD1.1 R328.2 U41.1 | length 32.9
  L1 w0.2: R328.2@100.5,32.2 100.75,32.2 101.1,32.55 U41.1@102.605,32.55 102.605,32.905 v1(102.7,33) v1(101.9,33)
  L7 (PWR) w0.2: v1(101.9,33) 106,33 115.875,42.875 123.676,42.875 124.101,43.3 v1(124.5,43.3) v1(125.3,43.3)
  L12 w0.3: LCD1.1@124.5,42.45 v1(124.5,43.3) v1(125.3,43.3)
LED_MPCIE_WLAN: J2.44 R155.1 | length 20
  L1 w0.1: J2.44@167.9,51 172.6,51 173.1,51.5 173.1,58.8 173.4,59.1 177.4,59.1 178,58.5 179,58.5 R155.1@179.7,57.8
LED_MPCIE_WPAN: J2.46 R156.1 | length 19.1
  L1 w0.1: J2.46@167.9,51.8 172.1,51.8 172.8,52.5 172.8,58.8 173.9,59.9 179.1,59.9 R156.1@179.7,59.3